# Altium PCB PCB_MAIN.PcbDoc (part 1 of 2) (continued)
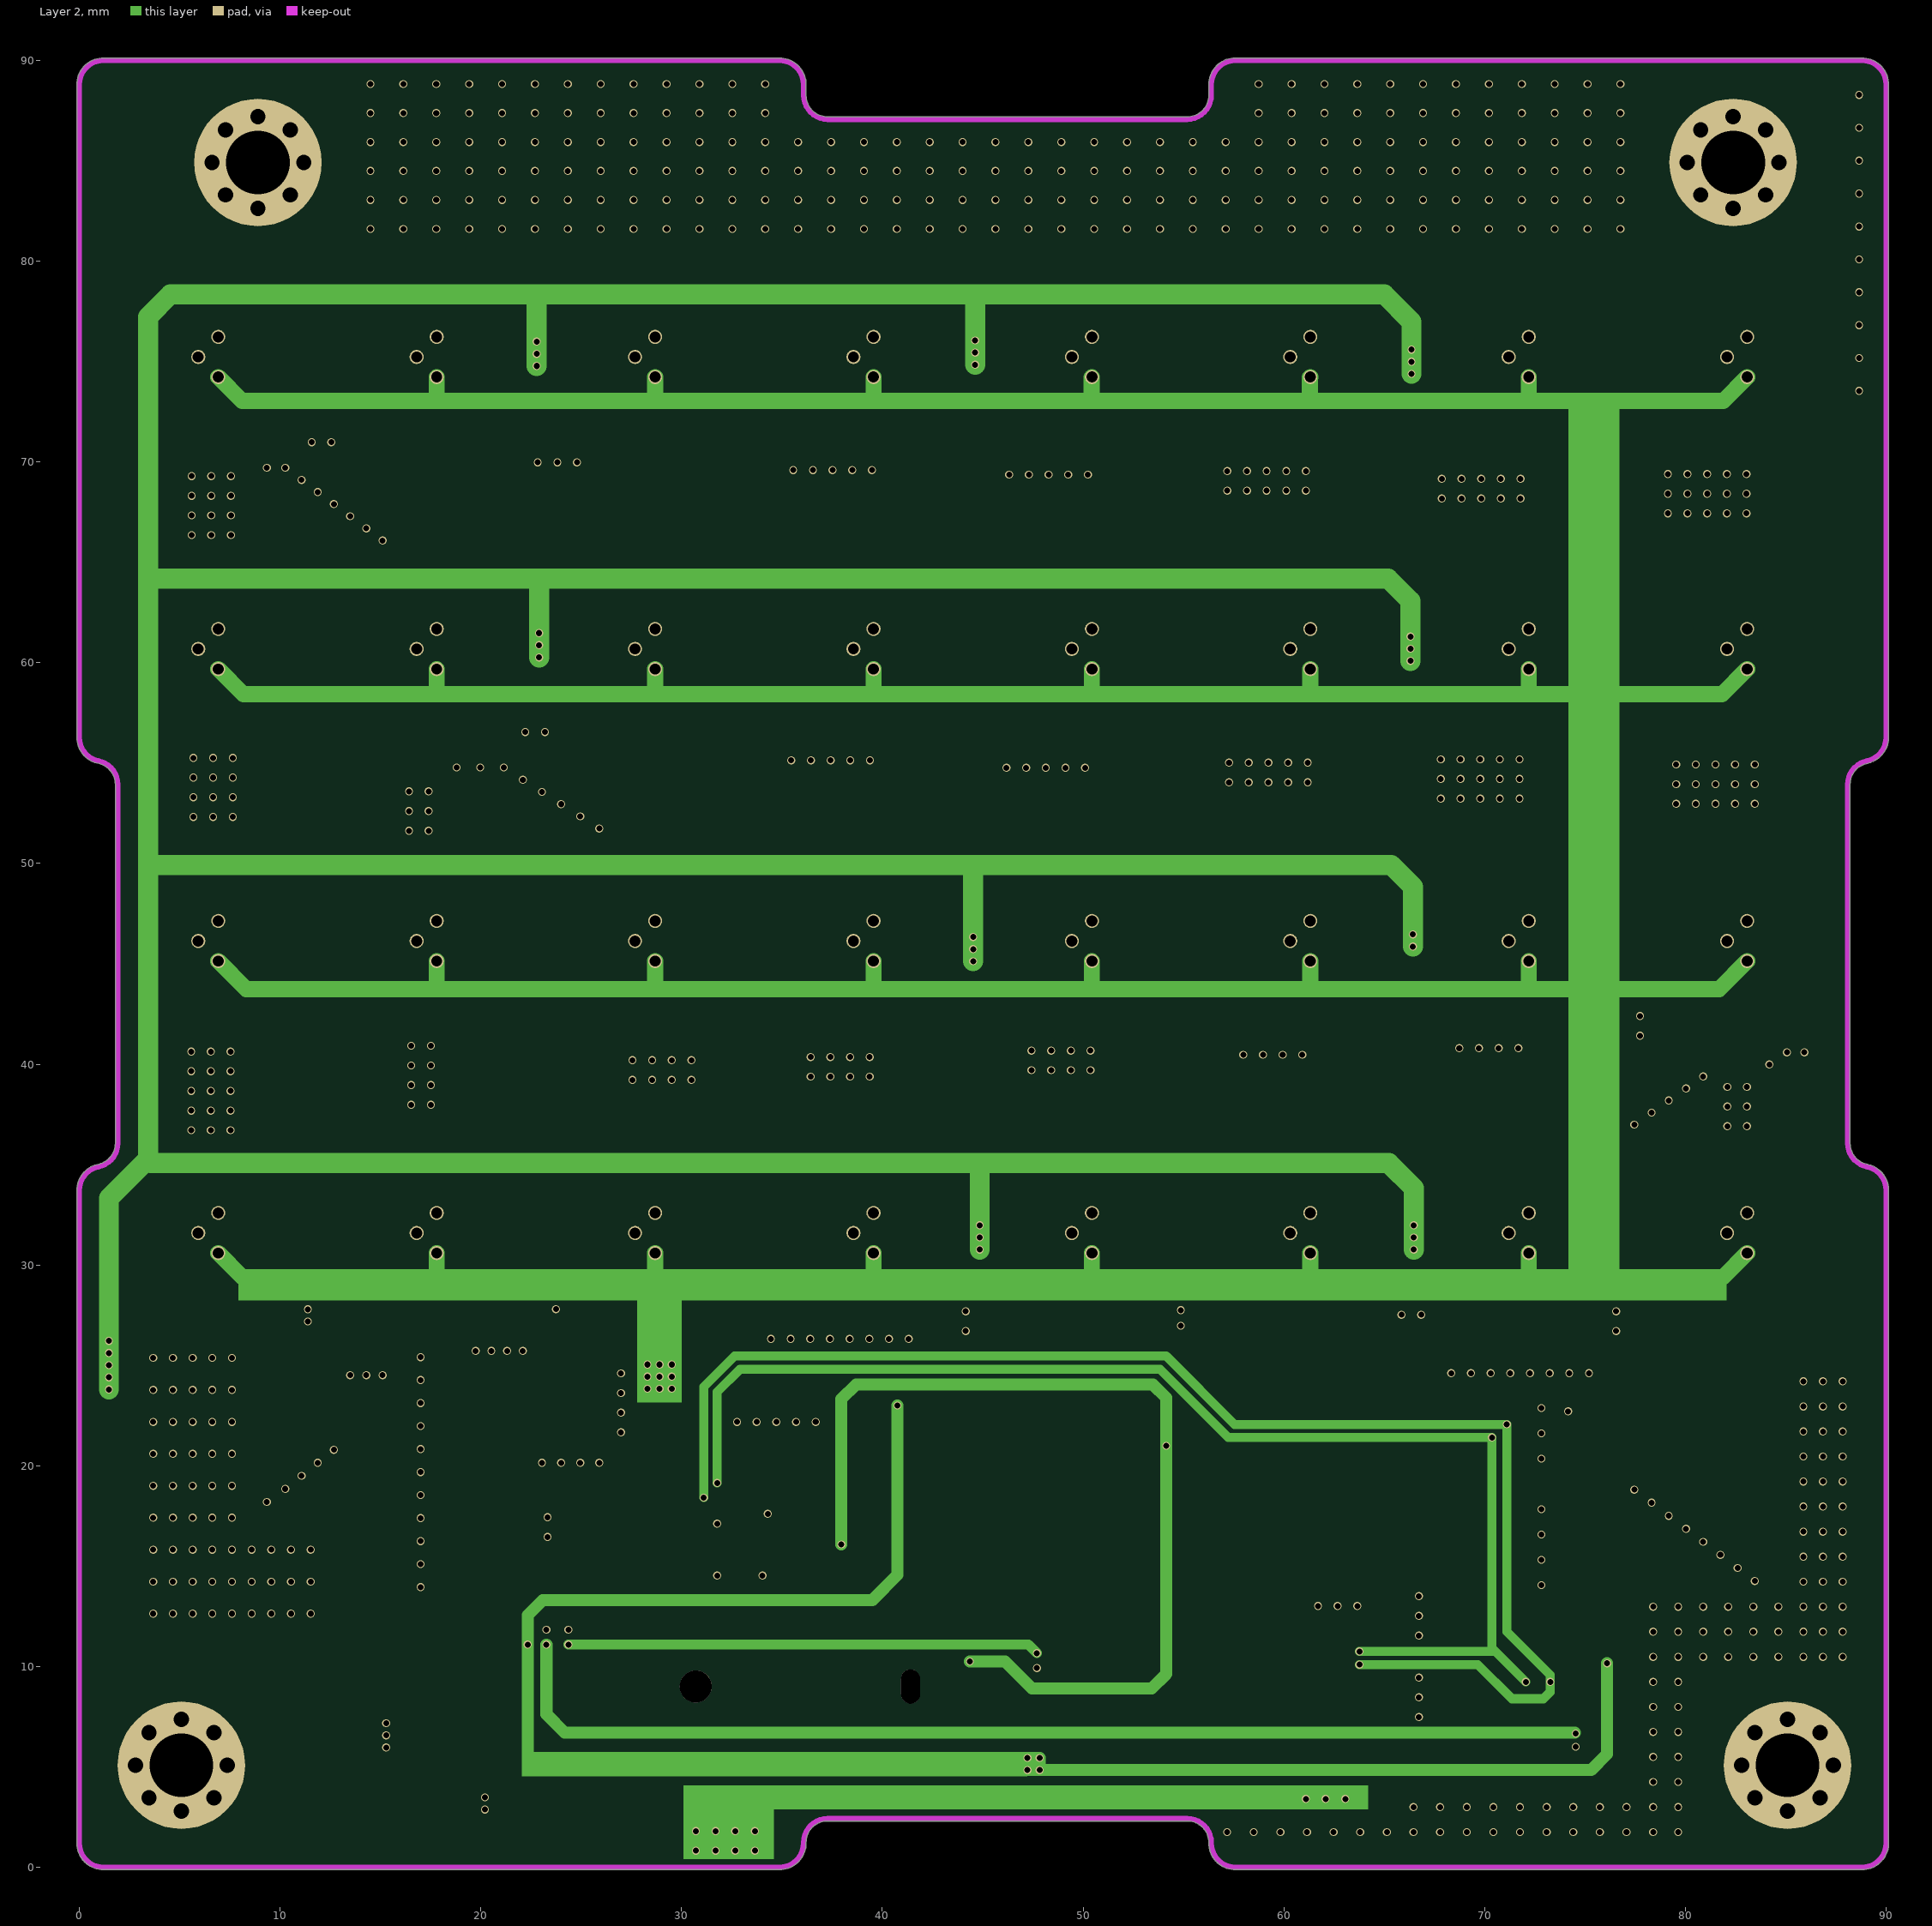
[diagram p3: Layer 2]
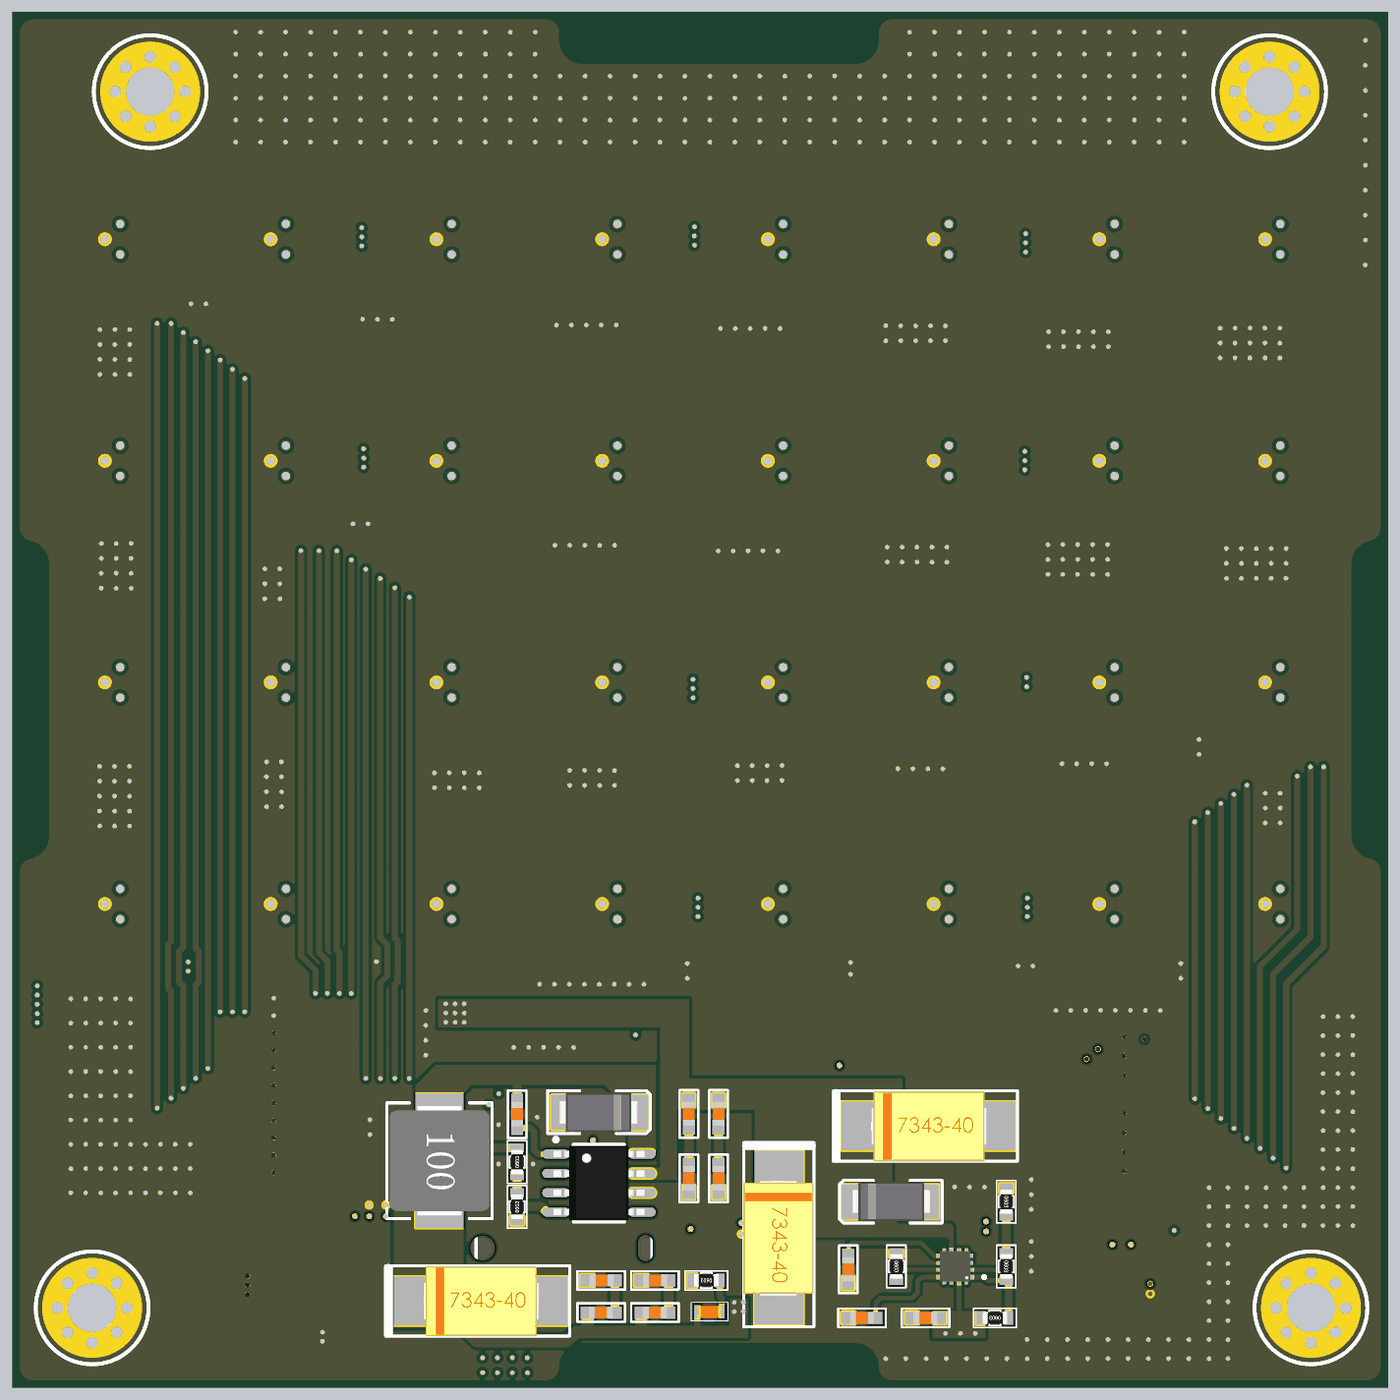
[diagram p5: 3D render of the assembled board from above, using the file's embedded part models]
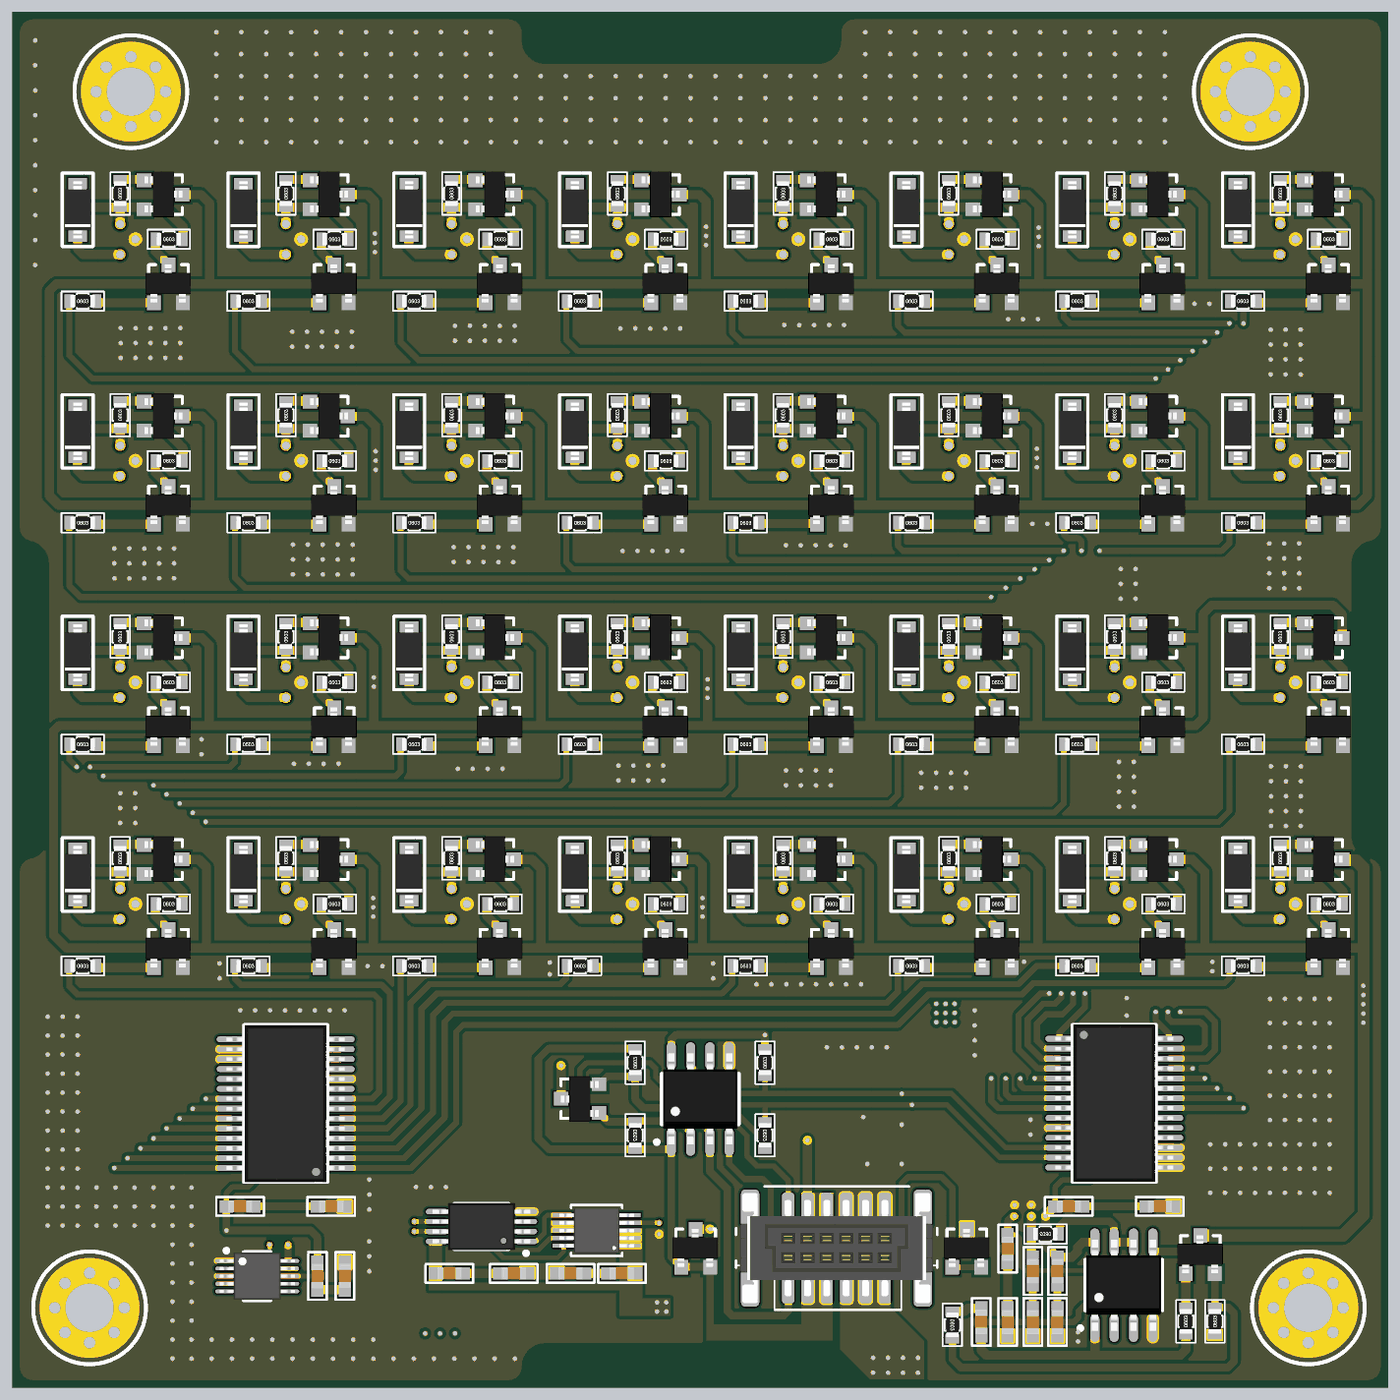
[diagram p6: 3D render of the assembled board from below, using the file's embedded part models]

## Layer stack, top to bottom
Top Solder: solder mask 0.012, Solder Resist, Dk 3.5
Top Layer: signal copper 0.04
Dielectric 2: prepreg 0.2, PP-022, Dk 4.5
Layer 1: signal copper 0.032
Dielectric 1: core 1.04, Core-042, Dk 4.6
Layer 2: signal copper 0.032
Dielectric 3: prepreg 0.2, PP-022, Dk 4.5
Bottom Layer: signal copper 0.04
Bottom Solder: solder mask 0.012, Solder Resist, Dk 3.5

## Board outline
-0.127,1.199 -0.127,33.709 -0.127,33.715 cw(c1.2,33.715) 0.97,35.022 0.974,35.023 ccw(c0.72,36.065) 1.793,36.065 1.793,53.935 ccw(c0.72,53.935) 0.975,54.977 0.969,54.978 cw(c1.199,56.285) -0.128,56.285 -0.127,56.301 -0.127,88.8 cw(c1.2,88.8) 1.2,90.127 34.87,90.127 cw(c34.87,88.8) 36.197,88.8 36.197,88.27 ccw(c37.27,88.27) 37.27,87.197 37.319,87.187 55.141,87.187 55.19,87.197 ccw(c55.19,88.27) 56.263,88.27 56.263,88.8 cw(c57.59,88.8) 57.59,90.127 88.8,90.127 cw(c88.8,88.8) 90.127,88.8 90.127,56.277 90.126,56.258 cw(c88.799,56.289) 89.13,55.004 89.094,54.991 ccw(c89.28,53.935) 88.207,53.935 88.207,36.065 ccw(c89.28,36.065) 89.094,35.009 89.12,35.001 cw(c88.799,33.713) 90.126,33.754 90.127,33.734 90.127,1.143 90.125,1.118 cw(c88.8,1.2) 88.801,-0.127 88.8,-0.127 57.59,-0.127 cw(c57.59,1.2) 56.263,1.2 56.263,1.23 ccw(c55.19,1.23) 55.19,2.303 37.27,2.303 ccw(c37.27,1.23) 36.197,1.23 36.197,1.2 cw(c34.87,1.2) 34.87,-0.127 1.2,-0.127 cw(c1.2,1.2)

## Design rules (kind name [scope] priority, off if disabled: settings)
Clearance [All] p1: gap=0.2 ignorepadtopadclearanceinfootprint=FALSE
ComponentClearance [All] p1: gap=0.15 collisioncheckmode=3 verticalgap=0.15 showdistances=FALSE
HoleSize [All] p1: absolutevalues=TRUE maxlimit=8 minlimit=0.025 maxpercent=80.000 minpercent=20.000
HoleToHoleClearance [All] p1: gap=0.127 allowstackedmicrovias=TRUE
MinimumSolderMaskSliver [All] p1: minsoldermaskwidth=0
PolygonConnect [All] p1: connectstyle=Direct reliefconductorwidth=0.254 reliefentries=4 polygonreliefangle="90 Angle" airgapwidth=0.254
RoutingVias [All] p1: holewidth=0.711 width=1.27 viastyle="Through Hole" minholewidth=0.2 minwidth=0.4 maxholewidth=2 maxwidth=2.5
SilkToSilkClearance [All] p1: silktosilkclearance=0
SilkToSolderMaskClearance [IsPad] p1: minsilkscreentomaskgap=0 clearancetoexposedcopper=TRUE
SolderMaskExpansion [All] p1: expansion=0.102 istentingtop=FALSE
Width Width_1 [All] p1: maxlimit=2 minlimit=0.1 preferedwidth=0.6 midlayer1_minwidth=0.254 midlayer2_minwidth=0.254 minimp=50.000000 maximp=50.000000 favimp=50.000000
24 further rules are at their usual default settings.

## Classes and differential pairs
component class SWITCHING: D3 D4 D5 D6 D7 D8 D9 D10 D11 D12 D13 D14 D15 D16 D17 D18 D19 DIO1 DIO2 DIO3 DIO4 DIO5 DIO6 DIO7 DIO8 DIO9 DIO10 DIO11 DIO12 DIO13 DIO14 DIO15 DIO16 DIO17 DIO18 DIO19 DIO20 DIO21 DIO22 DIO23 DIO24 DIO25 DIO26 DIO27 DIO28 DIO29 DIO30 DIO31 DIO32 LD1 LD2 LD3 LD4 LD5 LD6 LD7 LD8 LD9 LD10 LD11 LD12 LD13 LD14 LD15 LD16 LD17 LD18 LD19 LD20 LD21 LD22 LD23 LD24 LD25 LD26 LD27 LD28 LD29 LD30 LD31 LD32 Q2 Q3 Q4 Q5 Q6 Q7 Q8 Q9 Q10 Q11 Q12 Q13 Q14 Q15 Q16 Q17 Q18 Q19 Q20 Q21 Q22 Q23 Q24 Q25 Q26 Q27 Q28 Q29 Q30 Q31 Q32 Q33 Q34 Q35 Q36 Q37 Q38 Q39 Q40 Q41 Q42 Q43 Q44 Q45 Q46 Q47 Q48 Q49 Q50 Q51 Q52 Q53 Q54 Q55 Q57 Q58 Q59 Q60 Q61 Q63 Q64 Q65 Q66 Q67 R18 R19 R20 R21 R22 R23 R24 R25 R26 R27 R28 R29 R30 R31 R32 R33 R34 R35 R36 R37 R38 R39 R40 R41 R42 R43 R44 R45 R46 R47 R48 R49 R50 R51 R52 R53 R54 R55 R56 R57 R58 R59 R60 R61 R62 R63 R64 R65 R66 R67 R68 R69 R70 R71 R72 R73 R74 R75 R76 R77 R78 R79 R80 R81 R82 R83 R84 R85 R86 R87 R88 R89 R90 R91 R92 R93 R94 R95 R96 R97 R98 R100 R101 R102 R103 R104 R106 R107 R108 R109 R110 R112 R113 R114 R115 R116
component class EFUSE_AND_REGULATOR: C1 C2 C3 C4 C5 C6 C7 C8 C9 C10 C11 C12 C13 C14 C15 D1 D2 IC1 L1 LED1 R1 R2 R3 R4 R5 R6 R7 U1
component class CURRENT_SOURCE: C33 C34 C35 C36 C37 C38 C39 IC4 Q1 R14 R15 R16 R17
component class COMMUNICATION: C17 C19 C20 C21 C22 C23 C24 C25 C26 C27 C28 H1 H2 H3 H4 IC2 IC3 LED R8 R9 R10 R11 TVS1 TVS2 TVS3 U2 U3 U4 U5

## Components (designator, comment, footprint, x,y, rotation, side; value= is the part's Value field where it differs from the comment)
C1 "1uF/25V" SM-0603 59.79,4.419 r0 top value=103
C2 "100uF/20V" "tu tantalum smd7343" 59.97,17.021 r0 top
C3 "2.2nF/25V" SM-0603 55.62,4.419 r0 top value=103
C4 "3.3nF/25V" SM-0603 54.72,7.609 r90 top value=103
C5 "0.01uF/25V" SM-0603 32.98,17.788 r270 top value=103
C6 "1uF/25V" SM-0603 44.25,17.808 r270 top value=103
C7 "10uF/25V" SM-0603 46.2,17.808 r270 top value=103
C8 "10uF/25V" SM-0603 42.026,4.77 r0 top value=103
C9 "1uF/25V" SM-0603 38.5,4.77 r0 top value=103
C10 "100uF/20V" "tu tantalum smd7343" 50.16,9.69 r270 top
C11 "470uF/6.3V" "tu tantalum smd7343" 30.58,5.54 r0 top
C12 "1uF/25V" SM-0603 44.25,13.578 r270 top value=103
C13 "10uF/25V" SM-0603 46.2,13.578 r270 top value=103
C14 "10uF/25V" SM-0603 42.026,6.88 r180 top value=103
C15 "1uF/25V" SM-0603 38.5,6.88 r180 top value=103
C17 "0.1uF/25V" SM-0603 50.14,7.34 r180 bottom value=103
C19 "0.1uF/25V" SM-0603 53.51,7.34 r180 bottom value=103
C20 "0.1uF/25V" SM-0603 61.473,7.34 r0 bottom value=103
C21 "0.1uF/25V" SM-0603 57.247,7.34 r0 bottom value=103
C22 "0.1uF/25V" SM-0603 70.13,7.173 r90 bottom value=103
C23 "0.1uF/25V" SM-0603 68.33,7.173 r270 bottom value=103
C24 "0.1uF/25V" SM-0603 20.806,11.74 r0 bottom value=103
C25 "0.1uF/25V" SM-0603 75.206,11.74 r0 bottom value=103
C26 "0.1uF/25V" SM-0603 14.83,11.74 r0 bottom value=103
C27 "0.1uF/25V" SM-0603 69.23,11.74 r0 bottom value=103
C28 "JP6x2" M55-6001242R 36.054,9 r180 bottom locked
C33 "0.1uF/25V" SM-0603 21.55,7.5 r90 bottom value=103
C34 "0.1uF/25V" SM-0603 24.82,8.967 r90 bottom value=103
C35 "0.1uF/25V" SM-0603 21.55,4.151 r90 bottom value=103
C36 "0.1uF/25V" SM-0603 24.82,4.151 r90 bottom value=103
C37 "10uF/25V" SM-0603 26.55,4.151 r270 bottom value=103
C38 "10uF/25V" SM-0603 23.166,7.5 r90 bottom value=103
C39 "10uF/25V" SM-0603 23.166,4.151 r90 bottom value=103
D1 "SS54" DIO-SMD-A 57.572,11.92 r0 top value=1N5007
D2 "SS54" DIO-SMD-A 38.286,18.056 r180 top value=1N5007
DIO1 "Diode SMD" SOD23 9.7,78.817 r270 bottom value=1N5007
DIO2 "Diode SMD" SOD23 20.581,78.817 r270 bottom value=1N5007
DIO3 "Diode SMD" SOD23 31.463,78.817 r270 bottom value=1N5007
DIO4 "Diode SMD" SOD23 42.344,78.817 r270 bottom value=1N5007
DIO5 "Diode SMD" SOD23 53.226,78.817 r270 bottom value=1N5007
DIO6 "Diode SMD" SOD23 64.107,78.817 r270 bottom value=1N5007
DIO7 "Diode SMD" SOD23 74.989,78.817 r270 bottom value=1N5007
DIO8 "Diode SMD" SOD23 85.87,78.817 r270 bottom value=1N5007
DIO9 "Diode SMD" SOD23 9.7,64.27 r270 bottom value=1N5007
DIO10 "Diode SMD" SOD23 20.581,49.724 r270 bottom value=1N5007
DIO11 "Diode SMD" SOD23 9.7,49.724 r270 bottom value=1N5007
DIO12 "Diode SMD" SOD23 85.87,64.27 r270 bottom value=1N5007
DIO13 "Diode SMD" SOD23 74.989,64.27 r270 bottom value=1N5007
DIO14 "Diode SMD" SOD23 64.107,64.27 r270 bottom value=1N5007
DIO15 "Diode SMD" SOD23 53.226,64.27 r270 bottom value=1N5007
DIO16 "Diode SMD" SOD23 42.344,64.27 r270 bottom value=1N5007
DIO17 "Diode SMD" SOD23 31.463,64.27 r270 bottom value=1N5007
DIO18 "Diode SMD" SOD23 20.581,64.27 r270 bottom value=1N5007
DIO19 "Diode SMD" SOD23 31.463,49.724 r270 bottom value=1N5007
DIO20 "Diode SMD" SOD23 42.344,49.724 r270 bottom value=1N5007
DIO21 "Diode SMD" SOD23 53.226,49.724 r270 bottom value=1N5007
DIO22 "Diode SMD" SOD23 64.107,49.724 r270 bottom value=1N5007
DIO23 "Diode SMD" SOD23 74.989,49.724 r270 bottom value=1N5007
DIO24 "Diode SMD" SOD23 85.87,49.724 r270 bottom value=1N5007
DIO25 "Diode SMD" SOD23 9.7,35.177 r270 bottom value=1N5007
DIO26 "Diode SMD" SOD23 20.581,35.177 r270 bottom value=1N5007
DIO27 "Diode SMD" SOD23 31.463,35.177 r270 bottom value=1N5007
DIO28 "Diode SMD" SOD23 85.87,35.177 r270 bottom value=1N5007
DIO29 "Diode SMD" SOD23 74.989,35.177 r270 bottom value=1N5007
DIO30 "Diode SMD" SOD23 64.107,35.177 r270 bottom value=1N5007
DIO31 "Diode SMD" SOD23 53.226,35.177 r270 bottom value=1N5007
DIO32 "Diode SMD" SOD23 42.344,35.177 r270 bottom value=1N5007
H1 "M3" M3 8.89,84.92 r0 top
H2 "M3" M3 82.38,84.92 r0 top
H3 "M3" M3 85.09,5.08 r0 top
H4 "M3" M3 5.08,5.08 r0 top
IC1 "TPS259470LRPWR" TPS259470 61.74,7.8 r180 top
IC2 "PCA9536DGKR" TSSOP8 59.36,10.42 r0 bottom
IC3 "ADUM1250ARZ" SO8 45,18.79 r90 bottom
IC4 "OPA2340UA" SO8 17.19,6.57 r90 bottom value=LM358
L1 "15uH/3.5A" SRP7050TA 27.88,14.738 r270 top
LD1 "LaserDiode" LASER 6.92,75.232 r0 top
LD2 "LaserDiode" LASER 17.8,75.232 r0 top
LD3 "LaserDiode" LASER 28.68,75.232 r0 top
LD4 "LaserDiode" LASER 39.56,75.232 r0 top
LD5 "LaserDiode" LASER 50.44,75.232 r0 top
LD6 "LaserDiode" LASER 61.32,75.232 r0 top
LD7 "LaserDiode" LASER 72.2,75.232 r0 top
LD8 "LaserDiode" LASER 83.08,75.232 r0 top
LD9 "LaserDiode" LASER 6.92,60.685 r0 top
LD10 "LaserDiode" LASER 17.8,60.685 r0 top
LD11 "LaserDiode" LASER 28.68,60.685 r0 top
LD12 "LaserDiode" LASER 39.56,60.685 r0 top
LD13 "LaserDiode" LASER 50.44,60.685 r0 top
LD14 "LaserDiode" LASER 61.32,60.685 r0 top
LD15 "LaserDiode" LASER 72.2,60.685 r0 top
LD16 "LaserDiode" LASER 83.08,60.685 r0 top
LD17 "LaserDiode" LASER 6.92,46.139 r0 top
LD18 "LaserDiode" LASER 17.8,46.139 r0 top
LD19 "LaserDiode" LASER 28.68,46.139 r0 top
LD20 "LaserDiode" LASER 39.56,46.139 r0 top
LD21 "LaserDiode" LASER 50.44,46.139 r0 top
LD22 "LaserDiode" LASER 61.32,46.139 r0 top
LD23 "LaserDiode" LASER 72.2,46.139 r0 top
LD24 "LaserDiode" LASER 83.08,46.139 r0 top
LD25 "LaserDiode" LASER 6.92,31.592 r0 top
LD26 "LaserDiode" LASER 17.8,31.592 r0 top
LD27 "LaserDiode" LASER 28.68,31.592 r0 top
LD28 "LaserDiode" LASER 39.56,31.592 r0 top
LD29 "LaserDiode" LASER 50.44,31.592 r0 top
LD30 "LaserDiode" LASER 61.32,31.592 r0 top
LD31 "LaserDiode" LASER 72.2,31.592 r0 top
LD32 "LaserDiode" LASER 83.08,31.592 r0 top
LED1 "LED" REDLED_0603 45.612,4.821 r0 top value="LED 3 - 5 ly 2 Colour"
Q1 "AO3400" SOT23-132 12.166,8.57 r180 bottom
Q2 "AO3401" SOT23-123 4.1,78.155 r270 bottom
Q3 "AO3401" SOT23-123 14.98,78.155 r270 bottom
Q4 "AO3401" SOT23-123 25.86,78.155 r270 bottom
Q5 "AO3401" SOT23-123 36.74,78.155 r270 bottom
Q6 "AO3401" SOT23-123 47.62,78.155 r270 bottom
Q7 "AO3401" SOT23-123 58.5,78.155 r270 bottom
Q8 "AO3401" SOT23-123 69.38,78.155 r270 bottom
Q9 "AO3401" SOT23-123 80.26,78.155 r270 bottom
Q10 "AO3401" SOT23-123 4.1,63.608 r270 bottom
Q11 "MMBT2222A" SOT23-132 3.749,72.309 r180 bottom value=C1815
Q12 "MMBT2222A" SOT23-132 14.629,72.309 r180 bottom value=C1815
Q13 "MMBT2222A" SOT23-132 25.509,72.309 r180 bottom value=C1815
Q14 "MMBT2222A" SOT23-132 36.389,72.309 r180 bottom value=C1815
Q15 "MMBT2222A" SOT23-132 47.269,72.309 r180 bottom value=C1815
Q16 "MMBT2222A" SOT23-132 58.149,72.309 r180 bottom value=C1815
Q17 "MMBT2222A" SOT23-132 69.029,72.309 r180 bottom value=C1815
Q18 "MMBT2222A" SOT23-132 79.909,72.309 r180 bottom value=C1815
Q19 "MMBT2222A" SOT23-132 3.749,57.762 r180 bottom value=C1815
Q20 "AO3401" SOT23-123 14.98,49.062 r270 bottom
Q21 "AO3401" SOT23-123 4.1,49.062 r270 bottom
Q22 "AO3401" SOT23-123 80.26,63.608 r270 bottom
Q23 "AO3401" SOT23-123 69.38,63.608 r270 bottom
Q24 "AO3401" SOT23-123 58.5,63.608 r270 bottom
Q25 "AO3401" SOT23-123 47.62,63.608 r270 bottom
Q26 "AO3401" SOT23-123 36.74,63.608 r270 bottom
Q27 "AO3401" SOT23-123 25.86,63.608 r270 bottom
Q28 "AO3401" SOT23-123 14.98,63.608 r270 bottom
Q29 "MMBT2222A" SOT23-132 14.629,43.216 r180 bottom value=C1815
Q30 "MMBT2222A" SOT23-132 3.749,43.216 r180 bottom value=C1815
Q31 "MMBT2222A" SOT23-132 79.909,57.762 r180 bottom value=C1815
Q32 "MMBT2222A" SOT23-132 69.029,57.762 r180 bottom value=C1815
Q33 "MMBT2222A" SOT23-132 58.149,57.762 r180 bottom value=C1815
Q34 "MMBT2222A" SOT23-132 47.269,57.762 r180 bottom value=C1815
Q35 "MMBT2222A" SOT23-132 36.389,57.762 r180 bottom value=C1815
Q36 "MMBT2222A" SOT23-132 25.509,57.762 r180 bottom value=C1815
Q37 "MMBT2222A" SOT23-132 14.629,57.762 r180 bottom value=C1815
Q38 "AO3401" SOT23-123 25.86,49.062 r270 bottom
Q39 "AO3401" SOT23-123 36.74,49.062 r270 bottom
Q40 "AO3401" SOT23-123 47.62,49.062 r270 bottom
Q41 "AO3401" SOT23-123 58.5,49.062 r270 bottom
Q42 "AO3401" SOT23-123 69.38,49.062 r270 bottom
Q43 "AO3401" SOT23-123 80.26,49.062 r270 bottom
Q44 "AO3401" SOT23-123 4.1,34.515 r270 bottom
Q45 "AO3401" SOT23-123 14.98,34.515 r270 bottom
Q46 "AO3401" SOT23-123 25.86,34.515 r270 bottom
Q47 "MMBT2222A" SOT23-132 25.509,43.216 r180 bottom value=C1815
Q48 "MMBT2222A" SOT23-132 36.389,43.216 r180 bottom value=C1815
Q49 "MMBT2222A" SOT23-132 47.269,43.216 r180 bottom value=C1815
Q50 "MMBT2222A" SOT23-132 58.149,43.216 r180 bottom value=C1815
Q51 "MMBT2222A" SOT23-132 69.029,43.216 r180 bottom value=C1815
Q52 "MMBT2222A" SOT23-132 79.909,43.216 r180 bottom value=C1815
Q53 "MMBT2222A" SOT23-132 3.749,28.669 r180 bottom value=C1815
Q54 "MMBT2222A" SOT23-132 14.629,28.669 r180 bottom value=C1815
Q55 "MMBT2222A" SOT23-132 25.509,28.669 r180 bottom value=C1815
Q57 "AO3401" SOT23-123 80.26,34.515 r270 bottom
Q58 "AO3401" SOT23-123 69.38,34.515 r270 bottom
Q59 "AO3401" SOT23-123 58.5,34.515 r270 bottom
Q60 "AO3401" SOT23-123 47.62,34.515 r270 bottom
Q61 "AO3401" SOT23-123 36.74,34.515 r270 bottom
Q63 "MMBT2222A" SOT23-132 79.909,28.669 r180 bottom value=C1815
Q64 "MMBT2222A" SOT23-132 69.029,28.669 r180 bottom value=C1815
Q65 "MMBT2222A" SOT23-132 58.149,28.669 r180 bottom value=C1815
Q66 "MMBT2222A" SOT23-132 47.269,28.669 r180 bottom value=C1815
Q67 "MMBT2222A" SOT23-132 36.389,28.669 r180 bottom value=C1815
R1 "470K 1%" RES-SMD-0603 64.348,4.42 r180 top
R2 "11K 1%" RES-SMD-0603 65.087,7.8 r270 top
R3 "47K 1%" RES-SMD-0603 65.087,12.047 r270 top
R4 "549R 1%" RES-SMD-0603 57.87,7.8 r270 top
R5 "10K 1%" RES-SMD-0603 32.98,14.652 r90 top
R6 "1K 1%" RES-SMD-0603 45.4,6.881 r180 top
R7 "3.24K 0.1%" RES-SMD-0603 32.98,11.708 r90 top
R8 "10K 1%" RES-SMD-0603 49.27,21.17 r90 bottom
R9 "10K 1%" RES-SMD-0603 49.27,16.41 r270 bottom
R10 "10K 1%" RES-SMD-0603 40.75,16.41 r270 bottom
R11 "10K 1%" RES-SMD-0603 40.75,21.17 r90 bottom
R14 "100R 1%" RES-SMD-0603 13.116,4.19 r90 bottom
R15 "1K 1%" RES-SMD-0603 28.45,3.96 r270 bottom
R16 "1K 1%" RES-SMD-0603 22.339,9.92 r0 bottom
R17 "10R 1%" RES-SMD-0603 11.216,4.19 r90 bottom
R18 "10K 1%" RES-SMD-0603 6.92,78.232 r90 bottom
R19 "10K 1%" RES-SMD-0603 17.8,78.232 r90 bottom
R20 "10K 1%" RES-SMD-0603 28.68,78.232 r90 bottom
R21 "10K 1%" RES-SMD-0603 39.56,78.232 r90 bottom
R22 "10K 1%" RES-SMD-0603 50.44,78.232 r90 bottom
R23 "10K 1%" RES-SMD-0603 61.32,78.232 r90 bottom
R24 "10K 1%" RES-SMD-0603 72.2,78.232 r90 bottom
R25 "10K 1%" RES-SMD-0603 83.08,78.232 r90 bottom
R26 "10K 1%" RES-SMD-0603 6.92,63.685 r90 bottom
R27 "10K 1%" RES-SMD-0603 3.72,75.232 r180 bottom
R28 "10K 1%" RES-SMD-0603 14.6,75.232 r180 bottom
R29 "10K 1%" RES-SMD-0603 25.48,75.232 r180 bottom
R30 "10K 1%" RES-SMD-0603 36.36,75.232 r180 bottom
R31 "10K 1%" RES-SMD-0603 47.24,75.232 r180 bottom
R32 "10K 1%" RES-SMD-0603 58.12,75.232 r180 bottom
R33 "10K 1%" RES-SMD-0603 69,75.232 r180 bottom
R34 "10K 1%" RES-SMD-0603 79.88,75.232 r180 bottom
R35 "10K 1%" RES-SMD-0603 3.72,60.685 r180 bottom